# Altium PCB DRS4-PCB.PcbDoc (part 3 of 15) (continued)
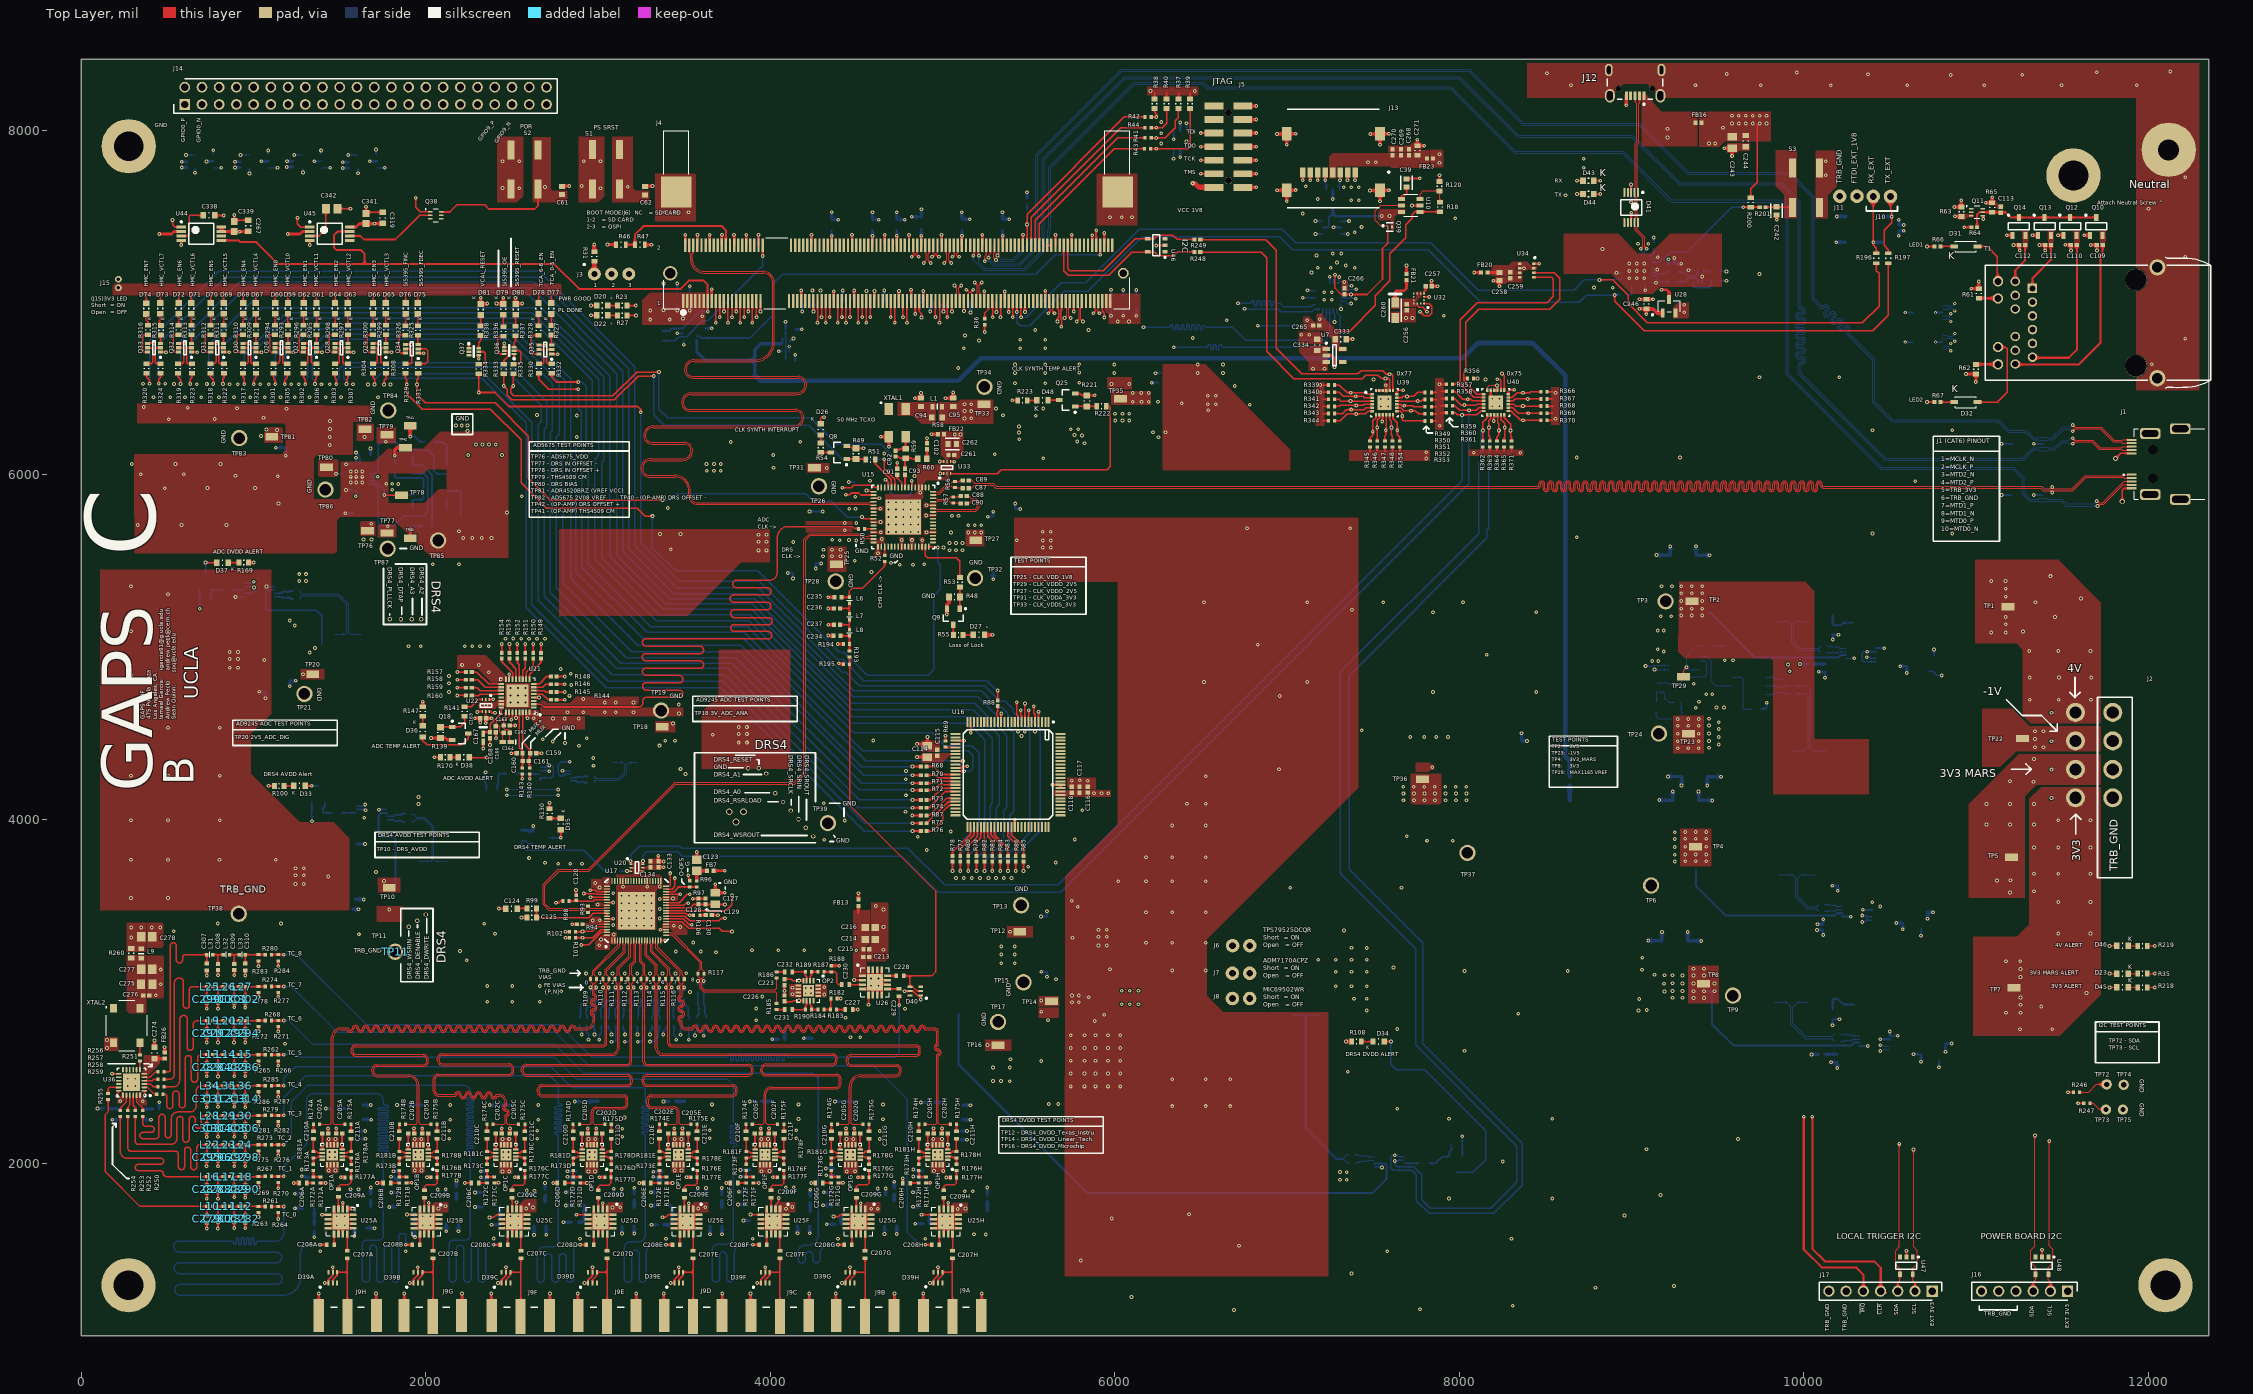
[diagram p0: Top Layer view]
## Components (designator, comment, footprint, x,y, rotation, side; value= is the part's Value field where it differs from the comment) (continued)
R34 "10K 5% 0603" RESC0603(1608)_L 10489.18,3453.97 r180 bottom value="10000.00 Ohm"
R35 "680R 5% 0603" RESC0603(1608)_L 11965.59,3103.66 r180 top value="680.00 Ohm"
R36 "Res_ROHM_SFR01MZPF20R0_20_Ohm" Res_ROHM_SFR01MZPF20R0_20_Ohm 5243.98,6887.78 r270 top
R37 "20K 1% 0603" RESC0603(1608)_L 6368.09,8153.35 r90 top value="20000.00 Ohm"
R38 "20K 1% 0603" RESC0603(1608)_L 6230.52,8153.35 r90 top value="20000.00 Ohm"
R39 "20K 1% 0603" RESC0603(1608)_L 6436.43,8153.35 r90 top value="20000.00 Ohm"
R40 "20K 1% 0603" RESC0603(1608)_L 6299.75,8153.35 r90 top value="20000.00 Ohm"
R41 "100R 5% 0402" RESC0402(1005)_L#1 6193.45,7955.53 r0 top value="100.00 Ohm"
R42 "22R 1% 0402" RESC0402(1005)_L#1 6193.45,8077.09 r0 top value="22.00 Ohm"
R43 "100R 5% 0402" RESC0402(1005)_L#1 6189.02,7892.41 r0 top value="100.00 Ohm"
R44 "100R 5% 0402" RESC0402(1005)_L#1 6193.45,8013.86 r0 top value="100.00 Ohm"
R45 "49R9 1% 0402" RESC0402(1005)_L#1 5490,7517.4 r90 bottom value="49.90 Ohm"
R46 "RES_DNP_0603" RES_DNP_0603 3131.79,7335.91 r0 top
R47 "RES_DNP_0603" RES_DNP_0603 3242.19,7335.91 r0 top
R48 "100K 5% 0603" RESC0603(1608)_N 5068.18,5290.43 r180 top value="100000.00 Ohm"
R49 "100K 5% 0603" RESC0603(1608)_N 4496.95,6122 r90 top value="100000.00 Ohm"
R50 "22R 1% 0402" RESC0402(1005)_L#1 4528,5685.25 r0 top value="22.00 Ohm"
R51 "10K 5% 0603" RESC0603(1608)_L 4581.61,6087.32 r0 top value="10000.00 Ohm"
R52 "22R 1% 0402" RESC0402(1005)_L#1 4663.7,5513.07 r90 top value="22.00 Ohm"
R53 "10K 5% 0603" RESC0603(1608)_L 5100.69,5375.09 r90 top value="10000.00 Ohm"
R54 "680R 5% 0603" RESC0603(1608)_L 4292.3,6156.05 r90 top value="680.00 Ohm"
R55 "680R 5% 0603" RESC0603(1608)_L 5091.18,5069.96 r0 top value="680.00 Ohm"
R56 "100R 5% 0402" RESC0402(1005)_L#1 5071.69,5942.42 r270 top value="100.00 Ohm"
R57 "100R 5% 0402" RESC0402(1005)_L#1 5060.83,5853.73 r90 top value="100.00 Ohm"
R58 "8K 1% 0603" Res_Yageo_RT0603BRE078KL_8K 4967.7,6331.52 r0 top
R59 "453R 1% 0603" RESC1608X55X30NL15T15 4784.89,6123.05 r270 top
R60 "549R 1% 0603" RESC1608X55X30NL15T15 4880.8,6091.48 r180 top
R61 "680R 5% 0603" RESC0603(1608)_L 11015.41,7052.58 r270 top value="680.00 Ohm"
R62 "680R 5% 0603" RESC0603(1608)_L 10999.02,6612.43 r90 top value="680.00 Ohm"
R63 "10K 5% 0603" RESC0603(1608)_L 10914.63,7526.88 r90 top value="10000.00 Ohm"
R64 "Res_Vishay_CRCW04020000Z0EDC_0_Ohm" Res_Vishay_CRCW04020000Z0EDC_0_Ohm 10988.5,7437.24 r180 top
R65 "10K 5% 0603" RESC0603(1608)_L 11092.93,7550.93 r270 top value="10000.00 Ohm"
R66 "Res_Vishay_CRCW04020000Z0EDC_0_Ohm" Res_Vishay_CRCW04020000Z0EDC_0_Ohm 10775.39,7324.92 r180 top
R67 "Res_Vishay_CRCW04020000Z0EDC_0_Ohm" Res_Vishay_CRCW04020000Z0EDC_0_Ohm 10775.39,6421.53 r180 top
R68 "Res_Vishay_CRCW04020000Z0EDC_0_Ohm" Res_Vishay_CRCW04020000Z0EDC_0_Ohm 4889.88,4306.14 r180 top
R69 "300R 1% 0402" RESC0402(1005)_L#1 5016.61,4437.48 r90 top value="300.00 Ohm"
R70 "Res_Vishay_CRCW04020000Z0EDC_0_Ohm" Res_Vishay_CRCW04020000Z0EDC_0_Ohm 4889.88,4254.56 r180 top
R71 "Res_Vishay_CRCW04020000Z0EDC_0_Ohm" Res_Vishay_CRCW04020000Z0EDC_0_Ohm 4889.88,4209.28 r180 top
R72 "Res_Vishay_CRCW04020000Z0EDC_0_Ohm" Res_Vishay_CRCW04020000Z0EDC_0_Ohm 4889.88,4168.62 r180 top
R73 "Res_Vishay_CRCW04020000Z0EDC_0_Ohm" Res_Vishay_CRCW04020000Z0EDC_0_Ohm 4889.88,4112.06 r180 top
R74 "Res_Vishay_CRCW04020000Z0EDC_0_Ohm" Res_Vishay_CRCW04020000Z0EDC_0_Ohm 4889.88,4066.77 r180 top
R75 "Res_Vishay_CRCW04020000Z0EDC_0_Ohm" Res_Vishay_CRCW04020000Z0EDC_0_Ohm 4889.88,3976.2 r180 top
R76 "Res_Vishay_CRCW04020000Z0EDC_0_Ohm" Res_Vishay_CRCW04020000Z0EDC_0_Ohm 4889.88,3930.92 r180 top
R77 "Res_Vishay_CRCW04020000Z0EDC_0_Ohm" Res_Vishay_CRCW04020000Z0EDC_0_Ohm 5102.34,3770.51 r270 top
R78 "Res_Vishay_CRCW04020000Z0EDC_0_Ohm" Res_Vishay_CRCW04020000Z0EDC_0_Ohm 5057.05,3770.51 r270 top
R79 "Res_Vishay_CRCW04020000Z0EDC_0_Ohm" Res_Vishay_CRCW04020000Z0EDC_0_Ohm 5196.12,3770.51 r270 top
R80 "Res_Vishay_CRCW04020000Z0EDC_0_Ohm" Res_Vishay_CRCW04020000Z0EDC_0_Ohm 5148.02,3770.51 r270 top
R81 "Res_Vishay_CRCW04020000Z0EDC_0_Ohm" Res_Vishay_CRCW04020000Z0EDC_0_Ohm 5288.65,3770.51 r270 top
R82 "Res_Vishay_CRCW04020000Z0EDC_0_Ohm" Res_Vishay_CRCW04020000Z0EDC_0_Ohm 5242.94,3770.51 r270 top
R83 "Res_Vishay_CRCW04020000Z0EDC_0_Ohm" Res_Vishay_CRCW04020000Z0EDC_0_Ohm 5379.22,3770.51 r270 top
R84 "Res_Vishay_CRCW04020000Z0EDC_0_Ohm" Res_Vishay_CRCW04020000Z0EDC_0_Ohm 5333.93,3770.51 r270 top
R85 "Res_Vishay_CRCW04020000Z0EDC_0_Ohm" Res_Vishay_CRCW04020000Z0EDC_0_Ohm 5469.79,3770.51 r270 top
R86 "Res_Vishay_CRCW04020000Z0EDC_0_Ohm" Res_Vishay_CRCW04020000Z0EDC_0_Ohm 5424.5,3770.51 r270 top
R87 "Res_Vishay_CRCW04020000Z0EDC_0_Ohm" Res_Vishay_CRCW04020000Z0EDC_0_Ohm 4889.88,4021.49 r0 top
R88 "Res_Vishay_CRCW04020000Z0EDC_0_Ohm" Res_Vishay_CRCW04020000Z0EDC_0_Ohm 5319.88,4672.76 r270 top
R89 "LVK20R100CER" OH_LVK20_OHM 2040.36,3710 r180 bottom
R90 "Res_Vishay_CRCW04020000Z0EDC_0_Ohm" Res_Vishay_CRCW04020000Z0EDC_0_Ohm 1898.39,4029.83 r180 bottom
R91 "100K 5% 0603" RESC0603(1608)_N 1370.27,4036.66 r180 bottom value="100000.00 Ohm"
R92 "Res_Vishay_CRCW04020000Z0EDC_0_Ohm" Res_Vishay_CRCW04020000Z0EDC_0_Ohm 1897.98,3984.49 r180 bottom
R93 "100R 5% 0402" RESC0402(1005)_L#1 2940.75,3477.17 r270 top value="100.00 Ohm"
R94 "Res_Vishay_CRCW04020000Z0EDC_0_Ohm" Res_Vishay_CRCW04020000Z0EDC_0_Ohm 2893.7,3389.69 r0 top
R95 "10K 5% 0603" RESC0603(1608)_L 1481.11,4037.84 r0 bottom value="10000.00 Ohm"
R96 "1K1 1% 0402" RESC0402(1005)_L#1 3572.98,3624.27 r90 top value="1100.00 Ohm"
R97 "1K1 1% 0402" RESC0402(1005)_L#1 3531.64,3624.94 r90 top value="1100.00 Ohm"
R98 "100R 5% 0402" RESC0402(1005)_L#1 2814.11,3525.39 r0 top value="100.00 Ohm"
R99 "130R 5% 0603" RESC0603(1608)_L 2614.07,3482.12 r0 top value="130.00 Ohm"
R100 "680R 5% 0603" RESC0603(1608)_L 1148.14,4193 r0 top value="680.00 Ohm"
R101 "1K1 1% 0402" RESC0402(1005)_L#1 2852.13,3312.09 r0 top value="1100.00 Ohm"
R102 "1K1 1% 0402" RESC0402(1005)_L#1 2851.57,3345.94 r0 top value="1100.00 Ohm"
R103 "Res_Vishay_CRCW04020000Z0EDC_0_Ohm" Res_Vishay_CRCW04020000Z0EDC_0_Ohm 7377.7,2006.81 r0 bottom
R104 "100K 5% 0603" RESC0603(1608)_N 7985.37,2109.64 r0 bottom value="100000.00 Ohm"
R105 "Res_Vishay_CRCW04020000Z0EDC_0_Ohm" Res_Vishay_CRCW04020000Z0EDC_0_Ohm 7376.01,2052.1 r0 bottom
R106 "49R9 1% 0402" RESC0402(1005)_L#2 3572.52,3442.62 r0 top value="49.90 Ohm"
R107 "10K 5% 0603" RESC0603(1608)_L 7795.33,2001.3 r180 bottom value="10000.00 Ohm"
R108 "680R 5% 0603" RESC0603(1608)_L 7401.9,2709.43 r0 top value="680.00 Ohm"
R109 "100R 5% 0402" RESC0402(1005)_L#1 2972.88,3072.2 r0 top value="100.00 Ohm"
R110 "100R 5% 0402" RESC0402(1005)_L#1 3045.36,3072.2 r0 top value="100.00 Ohm"
R111 "100R 5% 0402" RESC0402(1005)_L#1 3116.8,3072.2 r0 top value="100.00 Ohm"
R112 "100R 5% 0402" RESC0402(1005)_L#1 3189.7,3072.2 r0 top value="100.00 Ohm"
R113 "100R 5% 0402" RESC0402(1005)_L#1 3265.47,3072.2 r0 top value="100.00 Ohm"
R114 "100R 5% 0402" RESC0402(1005)_L#1 3337.8,3072.2 r0 top value="100.00 Ohm"
R115 "100R 5% 0402" RESC0402(1005)_L#1 3409.92,3072.2 r0 top value="100.00 Ohm"
R116 "100R 5% 0402" RESC0402(1005)_L#1 3482.05,3072.2 r0 top value="100.00 Ohm"
R117 "100R 5% 0402" RESC0402(1005)_L#1 3597.14,3102.66 r0 top value="100.00 Ohm"
R118 "LVK20R100CER" OH_LVK20_OHM 7108.32,2910 r0 bottom
R119 "100K 5% 0603" RESC0603(1608)_N 2555.24,3905.37 r90 bottom value="100000.00 Ohm"
R120 "27K 5% 0603" RESC0603(1608)_L 7884.8,7675 r270 top value="27000.00 Ohm"
R121 "10K 5% 0603" RESC0603(1608)_L 9873,4841 r270 bottom value="10000.00 Ohm"
R122 "10K 5% 0603" RESC0603(1608)_L 9619,4639 r0 bottom value="10000.00 Ohm"
R123 "10K 5% 0603" RESC0603(1608)_L 9724,4639 r0 bottom value="10000.00 Ohm"
R124 "47K 5% 0603" RESC0603(1608)_L 9144.51,4650 r270 bottom value="47000.00 Ohm"
R125 "47K 5% 0603" RESC0603(1608)_L 9144.51,4766 r270 bottom value="47000.00 Ohm"
R126 "2k 1% 0603" RESC1608X55X30ML15T15 9449.34,5005.8 r0 bottom
R127 "LVK20R100CER" OH_LVK20_OHM 3162.72,4373 r0 bottom
R128 "LVK20R100CER" OH_LVK20_OHM 1545,5030 r180 bottom
R129 "10K 5% 0603" RESC0603(1608)_L 3095.82,3698.86 r0 bottom value="10000.00 Ohm"
R130 "680R 5% 0603" RESC0603(1608)_L 2718.44,4032.45 r270 top value="680.00 Ohm"
R139 "100K 5% 0603" RESC0603(1608)_N 2084.8,4502.46 r270 top value="100000.00 Ohm"
R140 "22R 1% 0402" RESC0402(1005)_L#1 2602.34,4280.43 r90 top value="22.00 Ohm"
R141 "10K 5% 0603" RESC0603(1608)_L 2224.92,4625.49 r90 top value="10000.00 Ohm"
R143 "22R 1% 0402" RESC0402(1005)_L#1 2558.66,4280.43 r90 top value="22.00 Ohm"
R144 "Res_Vishay_CRCW04020000Z0EDC_0_Ohm" Res_Vishay_CRCW04020000Z0EDC_0_Ohm 2742.51,4692.73 r0 top
R145 "Res_Vishay_CRCW04020000Z0EDC_0_Ohm" Res_Vishay_CRCW04020000Z0EDC_0_Ohm 2742.51,4738.02 r0 top
R146 "Res_Vishay_CRCW04020000Z0EDC_0_Ohm" Res_Vishay_CRCW04020000Z0EDC_0_Ohm 2742.51,4783.3 r0 top
R147 "680R 5% 0603" RESC0603(1608)_L 1981.58,4625.64 r270 top value="680.00 Ohm"
R148 "Res_Vishay_CRCW04020000Z0EDC_0_Ohm" Res_Vishay_CRCW04020000Z0EDC_0_Ohm 2742.51,4828.59 r0 top
R149 "Res_Vishay_CRCW04020000Z0EDC_0_Ohm" Res_Vishay_CRCW04020000Z0EDC_0_Ohm 2668.72,4948.85 r90 top
R150 "Res_Vishay_CRCW04020000Z0EDC_0_Ohm" Res_Vishay_CRCW04020000Z0EDC_0_Ohm 2623.43,4948.85 r90 top
R151 "Res_Vishay_CRCW04020000Z0EDC_0_Ohm" Res_Vishay_CRCW04020000Z0EDC_0_Ohm 2577.09,4948.85 r90 top
R152 "Res_Vishay_CRCW04020000Z0EDC_0_Ohm" Res_Vishay_CRCW04020000Z0EDC_0_Ohm 2531,4948.85 r90 top
R153 "Res_Vishay_CRCW04020000Z0EDC_0_Ohm" Res_Vishay_CRCW04020000Z0EDC_0_Ohm 2485.61,4948.85 r90 top
R154 "Res_Vishay_CRCW04020000Z0EDC_0_Ohm" Res_Vishay_CRCW04020000Z0EDC_0_Ohm 2440.32,4948.85 r90 top
R157 "Res_Vishay_CRCW04020000Z0EDC_0_Ohm" Res_Vishay_CRCW04020000Z0EDC_0_Ohm 2249.59,4854.31 r180 top
R158 "Res_Vishay_CRCW04020000Z0EDC_0_Ohm" Res_Vishay_CRCW04020000Z0EDC_0_Ohm 2249.59,4809.03 r180 top
R159 "Res_Vishay_CRCW04020000Z0EDC_0_Ohm" Res_Vishay_CRCW04020000Z0EDC_0_Ohm 2249.59,4763.74 r180 top
R160 "Res_Vishay_CRCW04020000Z0EDC_0_Ohm" Res_Vishay_CRCW04020000Z0EDC_0_Ohm 2249.59,4718.46 r180 top
R161 "Res_Vishay_CRCW04020000Z0EDC_0_Ohm" Res_Vishay_CRCW04020000Z0EDC_0_Ohm 2957.82,4251.42 r180 bottom
R162 "Res_Vishay_CRCW04020000Z0EDC_0_Ohm" Res_Vishay_CRCW04020000Z0EDC_0_Ohm 1249.59,5325.45 r180 bottom
R163 "100K 5% 0603" RESC0603(1608)_N 718.25,5265.89 r180 bottom value="100000.00 Ohm"
R164 "100K 5% 0603" RESC0603(1608)_N 2382.92,4168.9 r180 bottom value="100000.00 Ohm"
R165 "Res_Vishay_CRCW04020000Z0EDC_0_Ohm" Res_Vishay_CRCW04020000Z0EDC_0_Ohm 2957.55,4210.56 r180 bottom
R166 "Res_Vishay_CRCW04020000Z0EDC_0_Ohm" Res_Vishay_CRCW04020000Z0EDC_0_Ohm 1249.59,5280.16 r180 bottom
R167 "10K 5% 0603" RESC0603(1608)_L 2496.34,4265.3 r0 bottom value="10000.00 Ohm"
R168 "10K 5% 0603" RESC0603(1608)_L 855.53,5330.67 r0 bottom value="10000.00 Ohm"
R169 "680R 5% 0603" RESC0603(1608)_L 942.42,5489.7 r180 top value="680.00 Ohm"
R170 "680R 5% 0603" RESC0603(1608)_L 2112.73,4359.52 r0 top value="680.00 Ohm"
R171A "61R9 1% 0402" RESC0402(1005)_L#1 1388.16,1906.22 r270 top value="61.90 Ohm" (schematic designator R171)
R171B "61R9 1% 0402" RESC0402(1005)_L#1 1886.9,1906.22 r270 top value="61.90 Ohm" (schematic designator R171)
R171C "61R9 1% 0402" RESC0402(1005)_L#1 2396.35,1906.22 r270 top value="61.90 Ohm" (schematic designator R171)
R171D "61R9 1% 0402" RESC0402(1005)_L#1 2896.51,1906.22 r270 top value="61.90 Ohm" (schematic designator R171)
R171E "61R9 1% 0402" RESC0402(1005)_L#1 3396.98,1906.22 r270 top value="61.90 Ohm" (schematic designator R171)
R171F "61R9 1% 0402" RESC0402(1005)_L#1 3900.48,1906.22 r270 top value="61.90 Ohm" (schematic designator R171)
R171G "61R9 1% 0402" RESC0402(1005)_L#1 4395.29,1906.22 r270 top value="61.90 Ohm" (schematic designator R171)
R171H "61R9 1% 0402" RESC0402(1005)_L#1 4902.81,1906.22 r270 top value="61.90 Ohm" (schematic designator R171)
R172A "49R9 1% 0402" RESC0402(1005)_L#1 1346.81,1906.22 r270 top value="49.90 Ohm" (schematic designator R172)
R172B "49R9 1% 0402" RESC0402(1005)_L#1 1845.55,1906.22 r270 top value="49.90 Ohm" (schematic designator R172)
R172C "49R9 1% 0402" RESC0402(1005)_L#1 2355,1906.22 r270 top value="49.90 Ohm" (schematic designator R172)
R172D "49R9 1% 0402" RESC0402(1005)_L#1 2855.16,1906.22 r270 top value="49.90 Ohm" (schematic designator R172)
R172E "49R9 1% 0402" RESC0402(1005)_L#1 3355.63,1906.22 r270 top value="49.90 Ohm" (schematic designator R172)
R172F "49R9 1% 0402" RESC0402(1005)_L#1 3859.13,1906.22 r270 top value="49.90 Ohm" (schematic designator R172)
R172G "49R9 1% 0402" RESC0402(1005)_L#1 4353.94,1906.22 r270 top value="49.90 Ohm" (schematic designator R172)
R172H "49R9 1% 0402" RESC0402(1005)_L#1 4861.46,1906.22 r270 top value="49.90 Ohm" (schematic designator R172)
R173A "165R 1% 0402" RESC0402(1005)_L#1 1346.81,1979.06 r90 top value="165.00 Ohm" (schematic designator R173)
R173B "165R 1% 0402" RESC0402(1005)_L#1 1845.55,1979.06 r90 top value="165.00 Ohm" (schematic designator R173)
R173C "165R 1% 0402" RESC0402(1005)_L#1 2355,1979.06 r90 top value="165.00 Ohm" (schematic designator R173)
R173D "165R 1% 0402" RESC0402(1005)_L#1 2855.16,1979.06 r90 top value="165.00 Ohm" (schematic designator R173)
R173E "165R 1% 0402" RESC0402(1005)_L#1 3355.63,1979.06 r90 top value="165.00 Ohm" (schematic designator R173)
R173F "165R 1% 0402" RESC0402(1005)_L#1 3859.13,1979.06 r90 top value="165.00 Ohm" (schematic designator R173)
R173G "165R 1% 0402" RESC0402(1005)_L#1 4353.94,1979.06 r90 top value="165.00 Ohm" (schematic designator R173)
R173H "165R 1% 0402" RESC0402(1005)_L#1 4861.46,1979.06 r90 top value="165.00 Ohm" (schematic designator R173)
R174A "15R 1% 0402" RESC0402(1005)_L#1 1364.53,2229.13 r0 top value="15.00 Ohm" (schematic designator R174)
R174B "15R 1% 0402" RESC0402(1005)_L#1 1863.27,2229.13 r0 top value="15.00 Ohm" (schematic designator R174)
R174C "15R 1% 0402" RESC0402(1005)_L#1 2372.72,2229.13 r0 top value="15.00 Ohm" (schematic designator R174)
R174D "15R 1% 0402" RESC0402(1005)_L#1 2872.87,2229.13 r0 top value="15.00 Ohm" (schematic designator R174)
R174E "15R 1% 0402" RESC0402(1005)_L#1 3373.35,2229.13 r0 top value="15.00 Ohm" (schematic designator R174)
R174F "15R 1% 0402" RESC0402(1005)_L#1 3876.85,2229.13 r0 top value="15.00 Ohm" (schematic designator R174)
R174G "15R 1% 0402" RESC0402(1005)_L#1 4371.65,2229.13 r0 top value="15.00 Ohm" (schematic designator R174)
R174H "15R 1% 0402" RESC0402(1005)_L#1 4879.17,2229.13 r0 top value="15.00 Ohm" (schematic designator R174)
R175A "15R 1% 0402" RESC0402(1005)_L#1 1548.5,2229.13 r180 top value="15.00 Ohm" (schematic designator R175)
R175B "15R 1% 0402" RESC0402(1005)_L#1 2047.32,2229.13 r180 top value="15.00 Ohm" (schematic designator R175)
R175C "15R 1% 0402" RESC0402(1005)_L#1 2556.5,2229.41 r180 top value="15.00 Ohm" (schematic designator R175)
R175D "15R 1% 0402" RESC0402(1005)_L#1 3058.46,2229.13 r180 top value="15.00 Ohm" (schematic designator R175)
R175E "15R 1% 0402" RESC0402(1005)_L#1 3557.13,2229.13 r180 top value="15.00 Ohm" (schematic designator R175)
R175F "15R 1% 0402" RESC0402(1005)_L#1 4060.2,2229.13 r180 top value="15.00 Ohm" (schematic designator R175)
R175G "15R 1% 0402" RESC0402(1005)_L#1 4555,2229.13 r180 top value="15.00 Ohm" (schematic designator R175)
R175H "15R 1% 0402" RESC0402(1005)_L#1 5062.52,2229.13 r180 top value="15.00 Ohm" (schematic designator R175)
R176A "165R 1% 0402" RESC0402(1005)_L#1 1566.22,1978.78 r90 top value="165.00 Ohm" (schematic designator R176)
R176B "165R 1% 0402" RESC0402(1005)_L#1 2065.04,1978.78 r90 top value="165.00 Ohm" (schematic designator R176)
R176C "165R 1% 0402" RESC0402(1005)_L#1 2574.21,1979.06 r90 top value="165.00 Ohm" (schematic designator R176)
R176D "165R 1% 0402" RESC0402(1005)_L#1 3076.18,1979.06 r90 top value="165.00 Ohm" (schematic designator R176)
R176E "165R 1% 0402" RESC0402(1005)_L#1 3574.84,1979.06 r90 top value="165.00 Ohm" (schematic designator R176)
R176F "165R 1% 0402" RESC0402(1005)_L#1 4077.91,1979.06 r90 top value="165.00 Ohm" (schematic designator R176)
R176G "165R 1% 0402" RESC0402(1005)_L#1 4572.72,1979.06 r90 top value="165.00 Ohm" (schematic designator R176)
R176H "165R 1% 0402" RESC0402(1005)_L#1 5080.24,1979.06 r90 top value="165.00 Ohm" (schematic designator R176)
R177A "61R9 1% 0402" RESC0402(1005)_L#1 1548.74,1920.31 r0 top value="61.90 Ohm" (schematic designator R177)
R177B "61R9 1% 0402" RESC0402(1005)_L#1 2047.32,1921.68 r0 top value="61.90 Ohm" (schematic designator R177)
R177C "61R9 1% 0402" RESC0402(1005)_L#1 2556.5,1920.83 r0 top value="61.90 Ohm" (schematic designator R177)
R177D "61R9 1% 0402" RESC0402(1005)_L#1 3056.65,1920.83 r0 top value="61.90 Ohm" (schematic designator R177)
R177E "61R9 1% 0402" RESC0402(1005)_L#1 3557.13,1920.83 r0 top value="61.90 Ohm" (schematic designator R177)
R177F "61R9 1% 0402" RESC0402(1005)_L#1 4060.2,1920.83 r0 top value="61.90 Ohm" (schematic designator R177)
R177G "61R9 1% 0402" RESC0402(1005)_L#1 4555,1921.68 r0 top value="61.90 Ohm" (schematic designator R177)
R177H "61R9 1% 0402" RESC0402(1005)_L#1 5062.52,1919.83 r0 top value="61.90 Ohm" (schematic designator R177)
R178A "348R 1% 0402" RESC0402(1005)_L#1 1566.22,2051.89 r90 top value="348.00 Ohm" (schematic designator R178)
R178B "348R 1% 0402" RESC0402(1005)_L#1 2065.04,2051.89 r90 top value="348.00 Ohm" (schematic designator R178)
R178C "348R 1% 0402" RESC0402(1005)_L#1 2574.21,2051.89 r90 top value="348.00 Ohm" (schematic designator R178)
R178D "348R 1% 0402" RESC0402(1005)_L#1 3076.18,2051.89 r90 top value="348.00 Ohm" (schematic designator R178)
R178E "348R 1% 0402" RESC0402(1005)_L#1 3574.84,2051.89 r90 top value="348.00 Ohm" (schematic designator R178)
R178F "348R 1% 0402" RESC0402(1005)_L#1 4077.91,2051.89 r90 top value="348.00 Ohm" (schematic designator R178)
R178G "348R 1% 0402" RESC0402(1005)_L#1 4572.72,2051.89 r90 top value="348.00 Ohm" (schematic designator R178)
R178H "348R 1% 0402" RESC0402(1005)_L#1 5080.24,2051.89 r90 top value="348.00 Ohm" (schematic designator R178)
R179A "22R 1% 0402(1005)" RESC0402(1005)_N 2955.9,2978.68 r90 bottom value="22.00 Ohm" (schematic designator R179)
R179B "22R 1% 0402(1005)" RESC0402(1005)_N 3028.3,2978.46 r90 bottom value="22.00 Ohm" (schematic designator R179)
R179C "22R 1% 0402(1005)" RESC0402(1005)_N 3100.7,2978.46 r90 bottom value="22.00 Ohm" (schematic designator R179)
R179D "22R 1% 0402(1005)" RESC0402(1005)_N 3173.1,2978.46 r90 bottom value="22.00 Ohm" (schematic designator R179)
R179E "22R 1% 0402(1005)" RESC0402(1005)_N 3248.46,2977.51 r90 bottom value="22.00 Ohm" (schematic designator R179)
R179F "22R 1% 0402(1005)" RESC0402(1005)_N 3320.46,2977.51 r90 bottom value="22.00 Ohm" (schematic designator R179)
R179G "22R 1% 0402(1005)" RESC0402(1005)_N 3392.86,2977.51 r90 bottom value="22.00 Ohm" (schematic designator R179)
R179H "22R 1% 0402(1005)" RESC0402(1005)_N 3465.27,2977.51 r90 bottom value="22.00 Ohm" (schematic designator R179)
R180A "22R 1% 0402(1005)" RESC0402(1005)_N 2989.75,2978.77 r90 bottom value="22.00 Ohm" (schematic designator R180)
R180B "22R 1% 0402(1005)" RESC0402(1005)_N 3062.16,2978.46 r90 bottom value="22.00 Ohm" (schematic designator R180)
R180C "22R 1% 0402(1005)" RESC0402(1005)_N 3134.56,2978.46 r90 bottom value="22.00 Ohm" (schematic designator R180)
R180D "22R 1% 0402(1005)" RESC0402(1005)_N 3206.96,2978.46 r90 bottom value="22.00 Ohm" (schematic designator R180)
R180E "22R 1% 0402(1005)" RESC0402(1005)_N 3281.92,2977.51 r90 bottom value="22.00 Ohm" (schematic designator R180)
R180F "22R 1% 0402(1005)" RESC0402(1005)_N 3354.32,2977.51 r90 bottom value="22.00 Ohm" (schematic designator R180)
R180G "22R 1% 0402(1005)" RESC0402(1005)_N 3426.72,2977.51 r90 bottom value="22.00 Ohm" (schematic designator R180)
R180H "22R 1% 0402(1005)" RESC0402(1005)_N 3499.12,2977.51 r90 bottom value="22.00 Ohm" (schematic designator R180)
R181A "348R 1% 0402" RESC0402(1005)_L#1 1346.81,2051.89 r90 top value="348.00 Ohm" (schematic designator R181)
R181B "348R 1% 0402" RESC0402(1005)_L#1 1845.55,2051.89 r90 top value="348.00 Ohm" (schematic designator R181)
R181C "348R 1% 0402" RESC0402(1005)_L#1 2355,2051.89 r90 top value="348.00 Ohm" (schematic designator R181)
R181D "348R 1% 0402" RESC0402(1005)_L#1 2855.16,2051.89 r90 top value="348.00 Ohm" (schematic designator R181)
R181E "348R 1% 0402" RESC0402(1005)_L#1 3355.63,2051.89 r90 top value="348.00 Ohm" (schematic designator R181)
R181F "348R 1% 0402" RESC0402(1005)_L#1 3859.13,2051.89 r90 top value="348.00 Ohm" (schematic designator R181)
R181G "348R 1% 0402" RESC0402(1005)_L#1 4353.94,2051.89 r90 top value="348.00 Ohm" (schematic designator R181)
R181H "348R 1% 0402" RESC0402(1005)_L#3 4861.46,2051.89 r90 top value="348.00 Ohm" (schematic designator R181)
R182 "61R9 1% 0402" RESC0402(1005)_L#1 4368.79,2959.32 r0 top value="61.90 Ohm"
R183 "49R9 1% 0402" RESC0402(1005)_L#1 4366.81,2894.77 r0 top value="49.90 Ohm"
R184 "165R 1% 0402" RESC0402(1005)_L#1 4293.98,2894.77 r180 top value="165.00 Ohm"
R185 "15R 1% 0402" RESC0402(1005)_L#1 4035.63,2913.45 r90 top value="15.00 Ohm"
R186 "15R 1% 0402" RESC0402(1005)_L#1 4035.63,3095.82 r270 top value="15.00 Ohm"
R187 "165R 1% 0402" RESC0402(1005)_L#1 4293.98,3113.85 r180 top value="165.00 Ohm"
R188 "61R9 1% 0402" RESC0402(1005)_L#1 4353.04,3131.56 r270 top value="61.90 Ohm"
R189 "348R 1% 0402" RESC0402(1005)_L#1 4221.14,3113.85 r180 top value="348.00 Ohm"
R190 "348R 1% 0402" RESC0402(1005)_L#1 4221.14,2894.75 r180 top value="348.00 Ohm"
R191 "22R 1% 0402" RESC0402(1005)_L#1 3578.4,3011.97 r90 bottom value="22.00 Ohm"
R192 "22R 1% 0402" RESC0402(1005)_L#1 3614.01,3011.97 r90 bottom value="22.00 Ohm"
R193 "18R 1% 0402" RESC0402(1005)_L#1 4459.13,4958.43 r270 top value="18.00 Ohm"
R194 "300R 1% 0402" RESC0402(1005)_L#1 4442.2,5017.68 r0 top value="300.00 Ohm"
R195 "300R 1% 0402" RESC0402(1005)_L#1 4442.2,4899.21 r0 top value="300.00 Ohm"
R196 "RES_DNP_0603" RES_DNP_0603 10421.08,7256.52 r270 top
R197 "RES_DNP_0603" RES_DNP_0603 10489.99,7256.52 r270 top
R198 "Res_Vishay_CRCW04020000Z0EDC_0_Ohm" Res_Vishay_CRCW04020000Z0EDC_0_Ohm 8949.4,7044.38 r180 bottom
R199 "Res_Vishay_CRCW04020000Z0EDC_0_Ohm" Res_Vishay_CRCW04020000Z0EDC_0_Ohm 8868.66,7131.12 r180 bottom
R200 "1K 5% 0603" RESC0603(1608)_L 9691.51,7580.74 r90 top value="1000.00 Ohm"
R201 "Res_Vishay_CRCW04020000Z0EDC_0_Ohm" Res_Vishay_CRCW04020000Z0EDC_0_Ohm 9760.4,7553.18 r0 top
R202 "680R 5% 0603" RESC0603(1608)_L 9490.45,7179.84 r0 bottom value="680.00 Ohm"
R203 "680R 5% 0603" RESC0603(1608)_L 9490.45,7126.68 r0 bottom value="680.00 Ohm"
R204 "10K 5% 0603" RESC0603(1608)_L 9247.91,7120.58 r180 bottom value="10000.00 Ohm"
R205 "10K 5% 0603" RESC0603(1608)_L 9247.91,7175.7 r0 bottom value="10000.00 Ohm"
R206 "Res_Vishay_CRCW04020000Z0EDC_0_Ohm" Res_Vishay_CRCW04020000Z0EDC_0_Ohm 10196.31,2710 r180 bottom
R207 "Res_Vishay_CRCW04020000Z0EDC_0_Ohm" Res_Vishay_CRCW04020000Z0EDC_0_Ohm 10114.37,4965.85 r180 bottom
R208 "Res_Vishay_CRCW04020000Z0EDC_0_Ohm" Res_Vishay_CRCW04020000Z0EDC_0_Ohm 9936.17,4774.45 r0 bottom
R209 "100K 5% 0603" RESC0603(1608)_N 10679.83,2664.31 r270 bottom value="100000.00 Ohm"
R210 "100K 5% 0603" RESC0603(1608)_N 10596.14,4919.36 r270 bottom value="100000.00 Ohm"
R212 "Res_Vishay_CRCW04020000Z0EDC_0_Ohm" Res_Vishay_CRCW04020000Z0EDC_0_Ohm 10196.31,2755.29 r180 bottom
R213 "Res_Vishay_CRCW04020000Z0EDC_0_Ohm" Res_Vishay_CRCW04020000Z0EDC_0_Ohm 10114.37,5005.8 r180 bottom
R214 "Res_Vishay_CRCW04020000Z0EDC_0_Ohm" Res_Vishay_CRCW04020000Z0EDC_0_Ohm 9936.17,4729.17 r0 bottom
R215 "10K 5% 0603" RESC0603(1608)_L 10590.04,2701.63 r180 bottom value="10000.00 Ohm"
R216 "10K 5% 0603" RESC0603(1608)_L 10511.49,4954.22 r180 bottom value="10000.00 Ohm"
R218 "680R 5% 0603" RESC0603(1608)_L 11965.59,3023.31 r180 top value="680.00 Ohm"
R219 "680R 5% 0603" RESC0603(1608)_L 11965.59,3264.41 r180 top value="680.00 Ohm"
R221 "100K 5% 0603" RESC0603(1608)_N 5837.04,6428.42 r90 top value="100000.00 Ohm"
R222 "10K 5% 0603" RESC0603(1608)_L 5921.7,6397.47 r0 top value="10000.00 Ohm"
R223 "680R 5% 0603" RESC0603(1608)_L 5464.06,6431.56 r0 top value="680.00 Ohm"
R246 "1K1 1% 0402" RESC0402(1005)_L#1 11583.21,2414.92 r0 top value="1100.00 Ohm"
R247 "1K1 1% 0402" RESC0402(1005)_L#1 11642.2,2350.59 r0 top value="1100.00 Ohm"
R248 "Res_Vishay_CRCW04020000Z0EDC_0_Ohm" Res_Vishay_CRCW04020000Z0EDC_0_Ohm 6478.85,7292.74 r180 top
R249 "Res_Vishay_CRCW04020000Z0EDC_0_Ohm" Res_Vishay_CRCW04020000Z0EDC_0_Ohm 6478.85,7365.58 r180 top
R250 "33R 1% 0402(1005)" RESC0402(1005)_L#1 356.79,2292.44 r270 top value="33.00 Ohm"
R251 "25R5 1% 0402" RESC0402(1005)_L#1 339.98,2613.91 r270 top value="25.50 Ohm"
R252 "33R 1% 0402(1005)" RESC0402(1005)_L#1 313.32,2292.44 r270 top value="33.00 Ohm"
R253 "33R 1% 0402(1005)" RESC0402(1005)_L#1 269.84,2292.44 r270 top value="33.00 Ohm"
R254 "33R 1% 0402(1005)" RESC0402(1005)_L#1 226.37,2292.44 r270 top value="33.00 Ohm"
R255 "33R 1% 0402(1005)" RESC0402(1005)_L#1 154.77,2390.1 r270 top value="33.00 Ohm"
R256 "33R 1% 0402(1005)" RESC0402(1005)_L#1 463.2,2533.26 r0 top value="33.00 Ohm"
R257 "33R 1% 0402(1005)" RESC0402(1005)_L#1 463.2,2489.79 r0 top value="33.00 Ohm"
R258 "33R 1% 0402(1005)" RESC0402(1005)_L#1 463.2,2446.31 r0 top value="33.00 Ohm"
R259 "33R 1% 0402(1005)" RESC0402(1005)_L#1 455.12,2402.79 r0 top value="33.00 Ohm"
R260 "10R 1% 0603(1608)" RESC0603(1608)_L 289.54,3221.94 r270 top value="10.00 Ohm"
R261 "18R 1% 0402" RESC0402(1005)_L#1 1085.06,1751.31 r0 top value="18.00 Ohm"
R262 "18R 1% 0402" RESC0402(1005)_L#1 1085.06,2632.42 r0 top value="18.00 Ohm"
R263 "300R 1% 0402" RESC0402(1005)_L#1 1027.97,1733.62 r90 top value="300.00 Ohm"
R264 "300R 1% 0402" RESC0402(1005)_L#1 1142.58,1733.62 r90 top value="300.00 Ohm"
R265 "300R 1% 0402" RESC0402(1005)_L#1 1027.97,2614.68 r90 top value="300.00 Ohm"
R266 "300R 1% 0402" RESC0402(1005)_L#1 1142.58,2614.68 r90 top value="300.00 Ohm"
R267 "18R 1% 0402" RESC0402(1005)_L#1 1085.06,1926.71 r0 top value="18.00 Ohm"
R268 "18R 1% 0402" RESC0402(1005)_L#1 1085.06,2830.84 r0 top value="18.00 Ohm"
R269 "300R 1% 0402" RESC0402(1005)_L#1 1027.97,1908.99 r90 top value="300.00 Ohm"
R270 "300R 1% 0402" RESC0402(1005)_L#1 1142.58,1908.99 r90 top value="300.00 Ohm"
R271 "300R 1% 0402" RESC0402(1005)_L#1 1142.58,2813.16 r90 top value="300.00 Ohm"
R272 "300R 1% 0402" RESC0402(1005)_L#4 1027.97,2813.16 r90 top value="300.00 Ohm"
R273 "18R 1% 0402" RESC0402(1005)_L#1 1085.06,2109.94 r0 top value="18.00 Ohm"
R274 "18R 1% 0402" RESC0402(1005)_L#1 1085.06,3028.87 r0 top value="18.00 Ohm"
R275 "300R 1% 0402" RESC0402(1005)_L#1 1027.97,2092.22 r90 top value="300.00 Ohm"
R276 "300R 1% 0402" RESC0402(1005)_L#1 1142.58,2092.22 r90 top value="300.00 Ohm"
R277 "300R 1% 0402" RESC0402(1005)_L#1 1142.58,3011.16 r90 top value="300.00 Ohm"
R278 "300R 1% 0402" RESC0402(1005)_L#1 1027.99,3011.16 r90 top value="300.00 Ohm"
R279 "18R 1% 0402" RESC0402(1005)_L#1 1085.06,2280.64 r0 top value="18.00 Ohm"
R280 "18R 1% 0402" RESC0402(1005)_L#1 1085.06,3213.52 r0 top value="18.00 Ohm"
R281 "300R 1% 0402" RESC0402(1005)_L#1 1027.97,2262.93 r90 top value="300.00 Ohm"
R282 "300R 1% 0402" RESC0402(1005)_L#1 1142.58,2262.93 r90 top value="300.00 Ohm"
R283 "300R 1% 0402" RESC0402(1005)_L#1 1027.97,3195.8 r90 top value="300.00 Ohm"
R284 "300R 1% 0402" RESC0402(1005)_L#1 1142.58,3195.8 r90 top value="300.00 Ohm"
R285 "18R 1% 0402" RESC0402(1005)_L#1 1085.06,2453.09 r0 top value="18.00 Ohm"
R286 "300R 1% 0402" RESC0402(1005)_L#1 1027.97,2435.37 r90 top value="300.00 Ohm"
R287 "300R 1% 0402" RESC0402(1005)_L#1 1142.58,2435.37 r90 top value="300.00 Ohm"
R288 "22R +/-1% 0603 100 mW" RESC1609X50X30ML08T20 2021.42,6191.95 r0 bottom
R289 "22R +/-1% 0603 100 mW" RESC1609X50X30ML08T20 2011,5701.47 r180 bottom